# Altium PCB Core.PcbDoc (part 3 of 3) (continued)
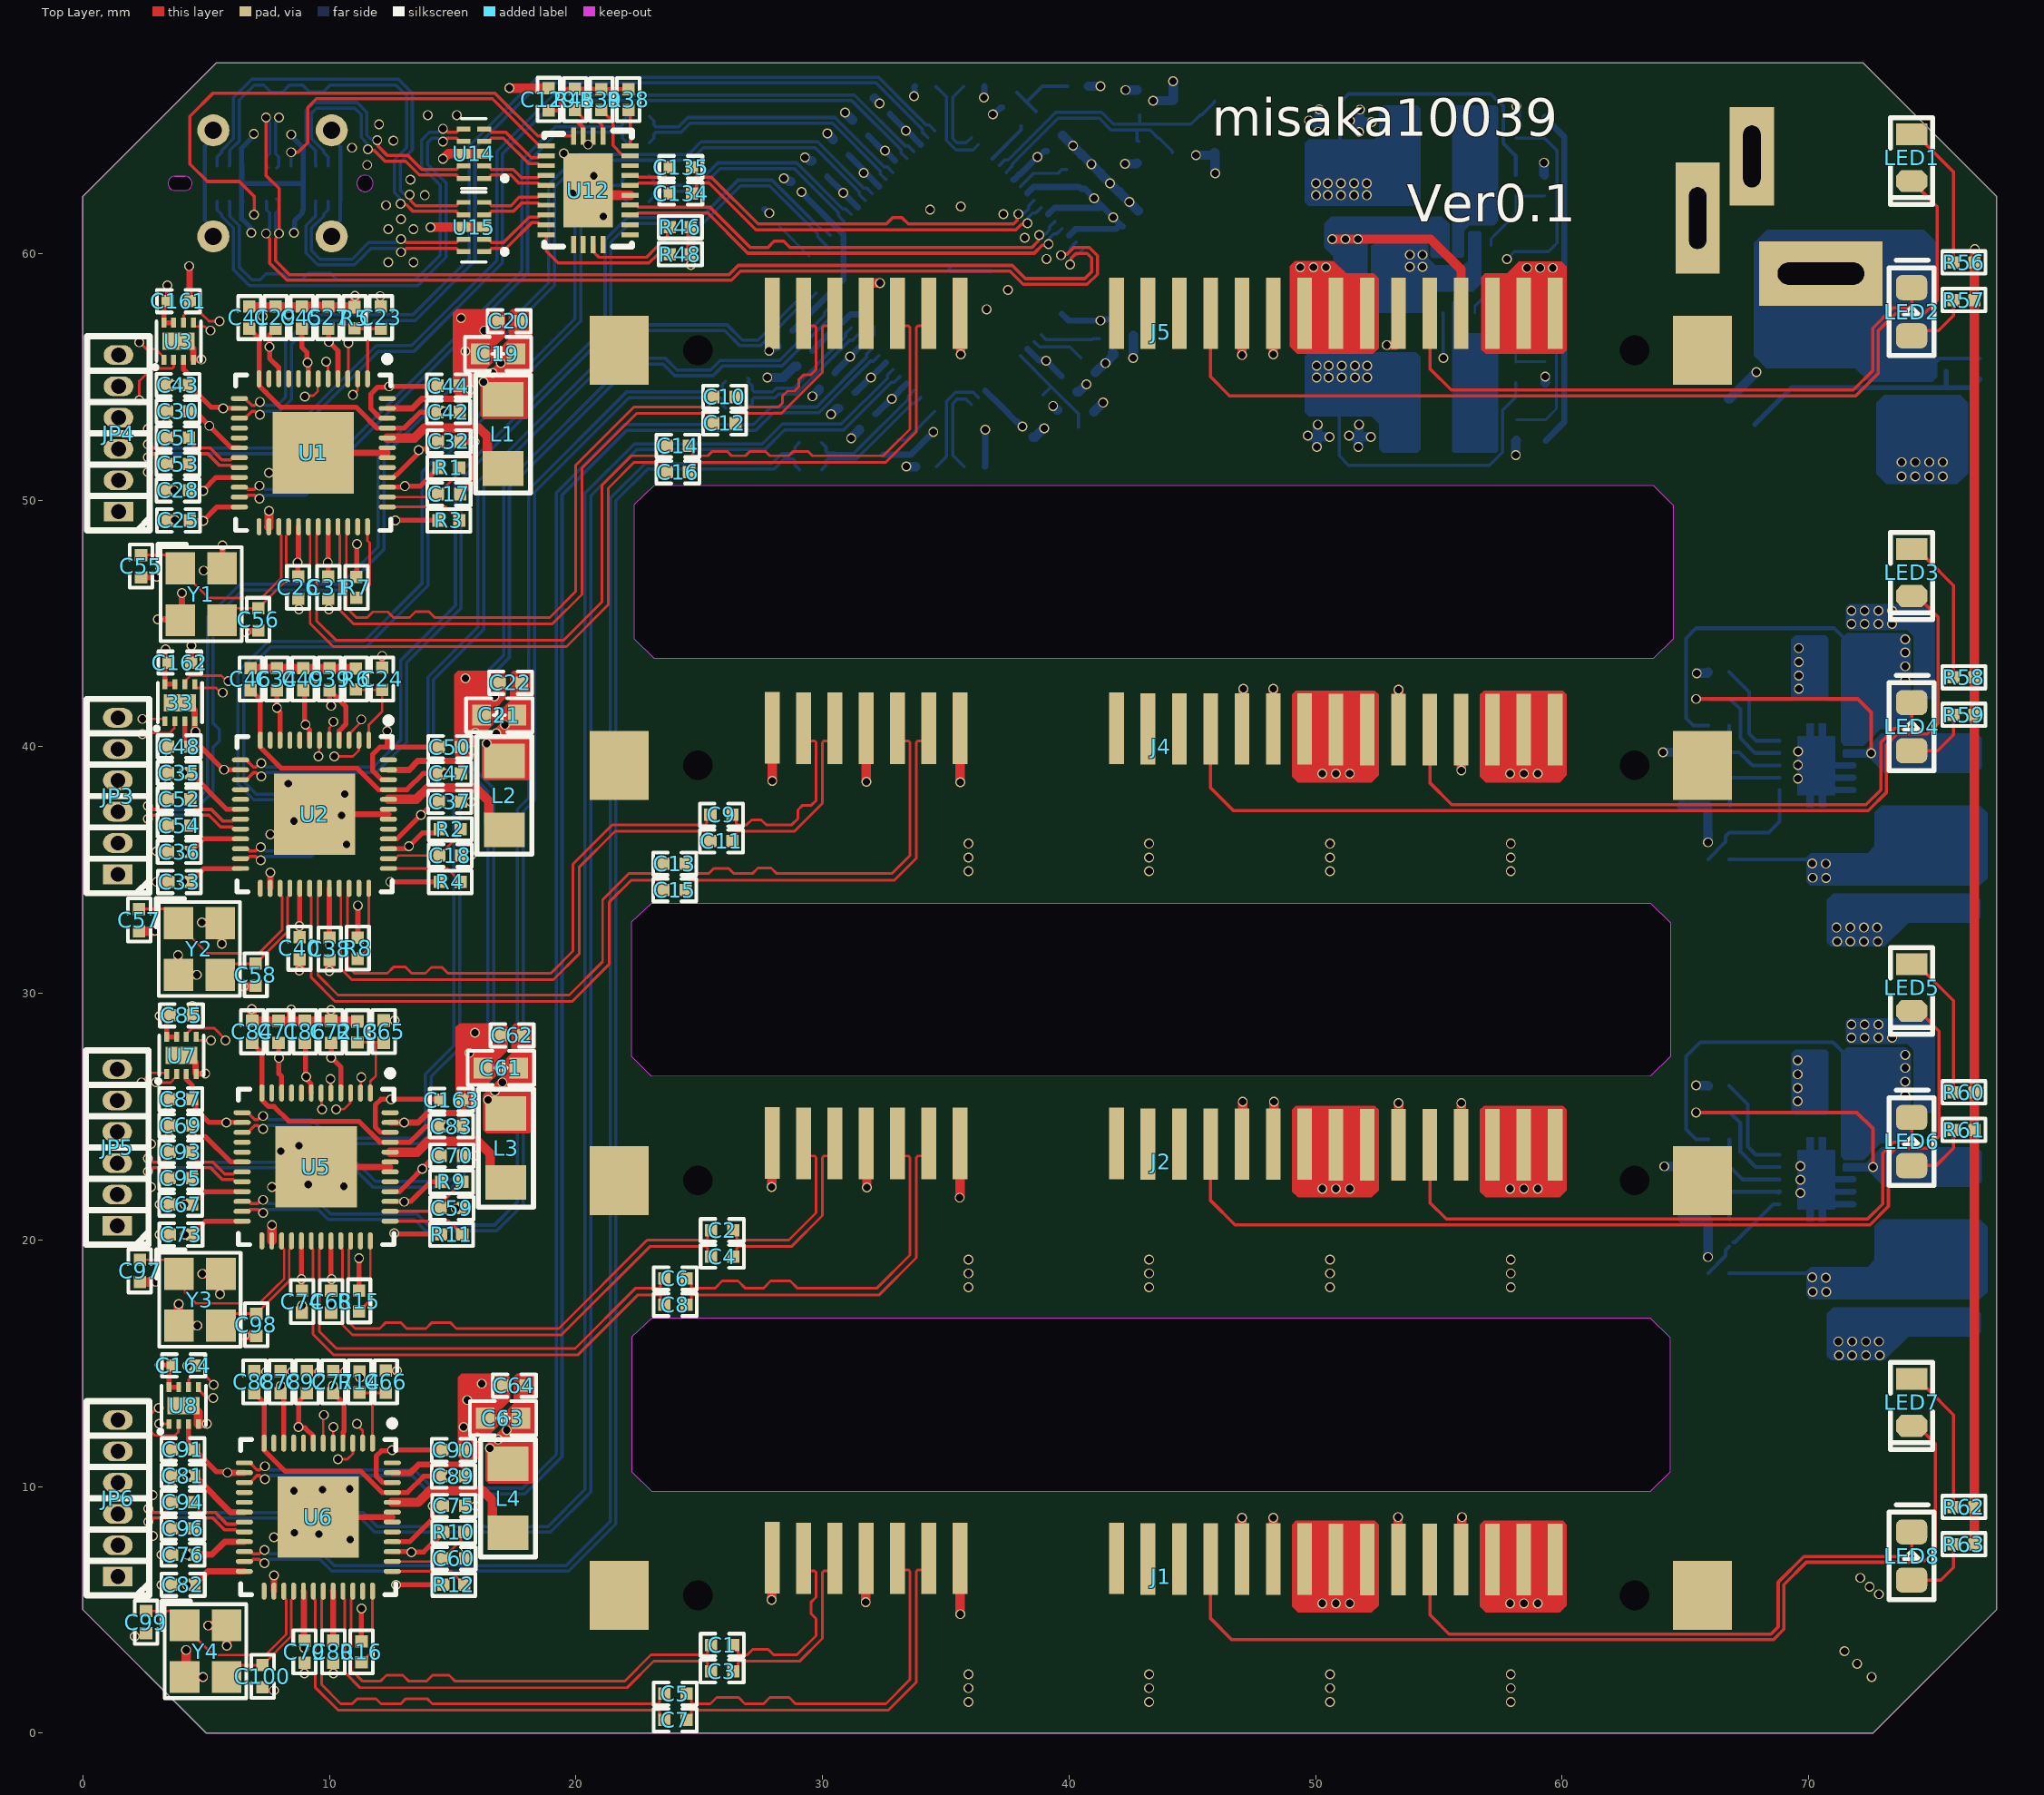
[diagram p0: Top Layer view]
## Nets (pads, with @x,y where several pads share a name; then routed paths per layer and width w, separated by ;. In a path a pad name is that pad's centre, name@x,y a point inside that pad or via, vN(x,y) a via of type N, cw(c..) or ccw(c..) an arc to the next point about the centre after c; other vN are vias at no path point) (continued)
  other v1: 16.51,11.557 16.84,11.913 17.196,12.294
VCC3V3: C127.2 C128.2 C144.2 C145.2 C146.2 C147.2 C148.2 L8.1 R35.1 R40.2 R41.2 R42.2 R43.2 R47.2 R50.2 R52.2 R54.2 R55.2 R56.1 R57.1 R58.1 R59.1 R60.1 R61.1 R62.1 R63.1 U13.17 U13.24 U13.46 U13.62 U13.73 | length 123.1
  Top Layer w0.381: R63.1@76.714,7.661 R62.1@76.714,9.169 R61.1@76.714,24.463 R60.1@76.714,25.984 R59.1@76.714,41.291 R58.1@76.714,42.812 R57.1@76.714,58.111 R56.1@76.714,59.634 76.73,59.65 76.73,60.169 v1(76.733,60.173)
  Layer 1 w0.381: v1(52.095,55.448) 52.095,59.893 53.162,60.96 53.162,64.389 55.321,66.548 72.695,66.548 76.733,62.509 v1(76.733,60.173)
  Bottom Layer w0.127: 50.952,54.068 50.952,52.725 50.955,52.722 50.955,52.399 50.952,52.396 50.952,51.791 51.333,51.41 57.048,51.41 57.391,51.752 57.396,51.752 57.582,51.938 57.582,53.645 58.115,54.178 R35.1@58.115,54.751
  Bottom Layer w0.254: R55.2@27.644,61.79 27.664,61.79 27.819,61.635 v1(27.839,61.635) ; C147.2@28.778,56.871 28.78,56.871 U13.17@30.026,58.116 ; v1(29.152,62.491) C146.2@29.362,62.281 29.362,62.248 U13.24@30.593,61.017 30.85,60.76 30.85,58.939 U13.17@30.028,58.116 ; R47.2@32.465,51.846 33.583,51.846 v1(34.493,52.756) ; v1(33.706,66.37) 33.725,66.39 33.725,66.757 R52.2@33.745,66.777 ; v1(36.551,66.319) 36.56,66.329 36.56,66.767 R54.2@36.569,66.777 ; R43.2@36.588,51.359 36.595,51.366 36.595,52.851 v1(36.601,52.857) ; U13.73@36.603,54.44 37.273,53.77 37.855,53.188 C148.2@37.897,53.188 v1(38.107,52.977) ; v1(36.906,65.634) 36.946,65.634 37.229,65.917 R50.2@37.291,65.917 ; U13.46@37.735,62.996 37.773,62.996 37.985,63.208 38.011,63.208 v1(38.71,63.906) 38.749,63.906 38.99,64.147 C144.2@39.103,64.147 ; U13.62@39.714,57.55 39.987,57.277 41.317,57.277 41.356,57.316 C145.2@41.973,57.316
  Bottom Layer w0.381: v1(39.351,53.816) 39.357,53.816 39.519,53.653 R40.2@39.539,53.653 ; R41.2@41.068,55.173 v1@41.461,55.567 ; v1(41.478,55.55) 41.478,55.555 41.825,55.902 R42.2@41.825,55.939 ; R42.2@41.758,55.939 R42.2@41.758,55.956
  other v1: 50.038,54.966 50.521,54.966 51.054,54.966 51.587,54.966 52.095,54.966 50.038,55.448 50.521,55.448 51.054,55.448 51.587,55.448 41.278,57.277
VCC3V3-A: C23.2 C43.2 C44.2 C45.2 C161.2 JP4.6 R1.1 R3.1 R7.1 U1.7 U1.14 U1.39 U1.46 U3.3 U3.7 U3.8 | length 17.7
  Top Layer w0.203: v1(3.429,58.699) 3.433,58.696 3.433,58.068 C161.2@3.436,58.064 3.286,57.914 U3.8@3.286,57.189 U3.7@3.686,57.189 ; U3.3@4.086,55.689 4.088,55.687 4.088,55.298 4.289,55.097 4.289,54.683 5.213,53.759 5.652,53.759 5.691,53.719 6.346,53.719 U1.14@6.347,53.718 ; C45.2@8.89,56.947 8.89,56.183 9.082,55.991 9.082,55.614 9.146,55.551 9.146,54.919 U1.7@9.147,54.918 ; R7.1@11.1,46.882 11.112,46.894 11.112,48.203 v1(11.125,48.216) ; v1(12.065,58.268) 12.078,58.255 12.078,57.859 C23.2@12.09,57.847 ; U1.39@12.347,50.518 12.349,50.519 12.962,50.519 13.007,50.564 v1(13.06,50.564) ; U1.46@12.347,53.318 12.068,53.318 11.684,53.702 11.684,54.305 11.951,54.572 12.383,54.572 v1(12.421,54.61) v1@12.458,54.572 ; v1@12.597,54.61 14.358,54.61 C44.2@14.384,54.635 ; v1(12.675,49.174) R3.1@14.424,49.174 ; v1@13.056,50.571 13.072,50.555 13.671,50.555 R1.1@14.424,51.308
  other v1: 5.69,53.721 9.12,55.577
VCC3V3-B: 33.3 33.7 33.8 C24.2 C48.2 C49.2 C50.2 C162.2 JP3.6 R2.1 R4.1 R8.1 U2.7 U2.14 U2.39 U2.46 | length 18.6
  Top Layer w0.203: v1(3.353,43.942) 3.337,43.926 33.8@3.337,42.533 33.7@3.737,42.533 ; 33.3@4.137,41.033 4.137,40.23 C48.2@4.362,40.005 ; C48.2@4.384,39.983 4.797,39.983 5.718,39.062 v1@5.729,39.062 ; v1(5.729,39.065) 5.731,39.063 6.396,39.063 U2.14@6.398,39.062 ; C49.2@8.941,42.291 8.995,42.237 8.995,40.937 v1@9.027,40.904 ; v1@9.042,40.919 9.042,40.835 9.196,40.681 9.196,40.263 U2.7@9.198,40.262 ; R8.1@11.151,32.251 11.157,32.258 11.157,33.554 v1(11.163,33.561) ; C24.2@12.141,43.198 v1(12.141,43.68) ; v1(12.344,40.64) 12.344,40.005 12.37,39.98 ; U2.39@12.398,35.862 13.072,35.862 13.173,35.963 v1(13.227,35.963) ; U2.46@12.398,38.662 12.119,38.662 11.76,39.021 11.76,39.692 12.048,39.98 12.37,39.98 ; v1(12.471,34.519) R4.1@14.474,34.519 ; v1@13.215,35.941 13.774,36.5 14.207,36.5 14.211,36.504 14.326,36.504 R2.1@14.474,36.652 ; C50.2@14.434,39.98 12.37,39.98
  other v1: 9.032,40.899
VCC3V3-C: C65.2 C85.2 C86.2 C87.2 C163.2 JP5.6 R9.1 R11.1 R15.1 U5.7 U5.14 U5.39 U5.46 U7.3 U7.7 U7.8 | length 17.5
  Top Layer w0.203: v1(3.124,29.083) 3.137,29.096 3.539,29.096 3.403,28.96 3.403,28.739 3.402,28.738 U7.8@3.402,28.233 U7.7@3.802,28.233 ; U7.3@4.201,26.733 4.201,26.511 4.426,26.286 C87.2@4.426,25.705 4.571,25.56 4.571,25.325 5.131,24.765 v1(5.817,24.765) ; v1@5.817,24.762 U5.14@6.463,24.762 ; C86.2@9.005,27.991 9.031,27.965 9.031,26.646 v1(9.056,26.62) ; v1@9.068,26.619 9.094,26.593 9.094,26.483 9.261,26.316 9.261,25.963 U5.7@9.263,25.962 ; R15.1@11.204,17.951 v1(11.204,19.263) ; U5.39@12.463,21.562 12.464,21.56 13.025,21.56 v1(13.033,21.552) 13.054,21.574 13.319,21.574 14.101,22.356 14.535,22.356 R9.1@14.539,22.352 ; U5.46@12.463,24.362 12.081,24.362 11.862,24.581 11.862,25.398 11.862,25.476 12.09,25.705 14.351,25.705 C163.2@14.499,25.679 ; v1(12.624,20.269) 12.649,20.244 14.514,20.244 R11.1@14.539,20.218
  other v1: 12.497,25.705 12.649,28.905
VCC3V3-D: C66.2 C90.2 C91.2 C92.2 C164.2 JP6.6 R10.1 R12.1 R16.1 U6.7 U6.14 U6.39 U6.46 U8.3 U8.7 U8.8 | length 18.2
  Top Layer w0.203: v1(3.119,14.938) 3.133,14.924 3.625,14.924 C164.2@3.639,14.91 3.491,14.761 3.491,14.541 3.489,14.539 U8.8@3.489,14.034 U8.7@3.89,14.034 ; C91.2@4.289,11.658 U8.3@4.289,12.534 ; C91.2@4.514,11.506 5.416,10.604 5.83,10.604 v1(5.867,10.566) ; v1@8.788,12.381 9.011,12.381 9.35,12.042 U6.7@9.35,11.763 ; v1@8.788,12.395 8.749,12.434 8.749,13.448 C92.2@9.093,13.792 ; R16.1@11.303,3.727 v1(11.303,5.063) ; C66.2@12.294,14.699 12.295,14.698 12.738,14.698 v1(12.739,14.696) ; U6.39@12.55,7.363 12.552,7.361 13.303,7.361 v1(13.323,7.341) ; U6.46@12.55,10.163 12.169,10.163 11.901,10.431 11.901,11.235 12.109,11.443 12.51,11.443 v1(12.548,11.481) C90.2@14.587,11.481 ; v1(12.7,6.02) R12.1@14.627,6.02 ; v1@13.296,7.404 13.345,7.355 13.828,7.355 R10.1@14.627,8.153
  Top Layer w0.254: v1(5.867,10.566) 5.869,10.565 6.549,10.565 U6.14@6.55,10.563
  other v1: 8.75,12.419
VCC5V-A: C106.2 C107.2 C108.2 C109.2 E5.1 E6.1 E9.1 E10.1 J1.P7 J1.P8 J1.P9 J2.P7 J2.P8 J2.P9 L5.2 R20.1 | length 60.6
  Layer 2 w0.889: v1@50.267,5.258 50.825,5.258 51.384,5.258 55.372,5.258 56.667,3.962 67.412,3.962 70.409,6.96 70.409,17.649 ; v1(50.267,22.081) v1(50.825,22.081) v1(51.384,22.081) 53.967,22.081 55.448,20.599 69.317,20.599 70.409,19.507 70.409,18.746 v1(70.143,18.481) ; v1@70.143,17.915 v1(70.143,18.481) ; v1(70.156,17.903) v1@70.696,17.903 ; v1(70.702,17.897) v1@70.696,17.903 ; v1(70.143,18.481) 70.149,18.475 v1(70.69,18.475) 70.69,17.909 v1@70.696,17.903
  Bottom Layer w0.152: R20.1@66.771,18.653 69.904,18.653 70.076,18.481 v1(70.143,18.481)
  other v1: 50.267,5.266 50.825,5.266 51.384,5.266
VCC5V-B: C117.2 C118.2 C119.2 C120.2 E1.1 E2.1 J4.P7 J4.P8 J4.P9 J5.P7 J5.P8 J5.P9 L6.2 R26.1 | length 68.2
  Layer 2 w0.889: v1(49.378,59.436) v1(49.911,59.436) 51.791,59.436 53.772,57.455 53.772,54.178 55.321,52.629 68.021,52.629 70.418,50.232 70.418,37.643 ; v1(50.267,38.911) v1(50.825,38.911) v1(51.384,38.911) 53.012,38.911 54.28,37.643 70.418,37.643 ; v1@70.701,35.258 v1(70.701,34.677) 70.694,34.683 v1(70.154,34.683) 70.148,34.689 70.142,34.695 v1(70.142,35.261) 70.145,35.258 70.148,35.255 v1(70.688,35.255) 70.418,35.525 70.418,37.643
  Bottom Layer w0.152: R26.1@66.77,35.433 69.903,35.433 70.075,35.261 v1(70.142,35.261)
  other v1: 50.419,59.436
VCC12V: C102.2 C103.2 C104.2 C105.2 C113.2 C114.2 C115.2 C116.2 E3.1 E4.1 E7.1 E8.1 E11.1 E12.1 J1.P13 J1.P14 J1.P15 J2.P13 J2.P14 J2.P15 J4.P13 J4.P14 J4.P15 J5.P13 J5.P14 J5.P15 JP2.1 Q1.3 R17.1 R24.1 U9.1 U10.1 | length 92.5
  Layer 1 w0.889: v1@57.887,5.258 60.02,5.258 62.382,2.896 71.298,2.896 ; v1(57.887,22.081) v1(58.445,22.081) v1(59.004,22.081) 60.926,22.081 62.23,20.777 74.193,20.777 ; v1(57.887,38.911) v1(58.445,38.911) v1(59.004,38.911) 60.708,38.911 62.433,37.186 73.863,37.186 ; v1(58.572,59.411) v1(59.106,59.411) v1(59.614,59.411) 62.509,59.411 64.973,56.947 64.973,54.254 67.691,51.537 v1(73.762,51.537) v1(74.32,51.537) v1(74.879,51.537) v1(75.438,51.537)
  Bottom Layer w0.152: R24.1@65.926,40.858 65.314,40.858 65.024,41.148 65.024,44.395 65.435,44.806 71.018,44.806 C114.2@71.806,44.017 ; R17.1@65.928,24.077 65.432,24.077 65.027,24.482 65.027,27.448 65.596,28.016 70.978,28.016 71.459,27.536 71.509,27.536 71.758,27.286 C103.2@71.758,27.236
  other v1: 72.542,2.286 71.958,2.819 71.45,3.327 57.887,5.266 58.445,5.266 59.004,5.266 73.914,25.857 73.914,26.416 73.914,26.975 73.914,27.508 73.914,42.697 73.914,43.256 73.914,43.815 73.914,44.348 73.762,50.952 74.32,50.952 74.879,50.952 75.438,50.952
VIN: CON1.1 Q1.2 R18.1 | length 2.3
  Bottom Layer w0.152: Q1.2@74.925,55.216 75.059,55.35 75.059,55.492 75.313,55.746 R18.1@76.937,55.746
VSENSE-A: R20.2 R23.1 U9.6 | length 3.9
  Bottom Layer w0.152: R20.2@65.921,18.653 66.63,19.361 66.63,19.596 R23.1@66.771,19.738 ; R23.1@66.945,19.911 67.015,19.911 68.557,21.453 U9.6@68.807,21.453
VSENSE-B: R26.2 R29.1 U10.6 | length 4.9
  Bottom Layer w0.152: R26.2@65.92,35.433 66.628,36.141 66.628,36.376 R29.1@66.77,36.518 68.37,36.518 68.807,36.956 U10.6@68.807,38.243
XIN: C143.1 U13.45 Y5.3 | length 8.8
  Bottom Layer w0.131: U13.45@37.453,63.278 37.453,63.297 37.699,63.543 37.699,63.627 39.557,65.485 41.222,65.485 41.698,65.009 42.027,65.009 42.037,64.998 42.748,64.998 43.284,64.998 43.61,64.672 43.66,64.672 44.195,64.138 Y5.3@44.195,64.088 ; 42.748,64.934 C143.1@42.748,64.56 42.802,64.56 C143.1@42.822,64.54
XIN-A: C56.1 U1.28 Y1.3 | length 5.5
  Top Layer w0.102: Y1.3@5.651,45.127 6.135,45.611 C56.1@7.112,45.611 8.248,46.747 8.248,48.542 8.347,48.641 U1.28@8.347,48.918
XIN-B: C58.1 U2.28 Y2.3 | length 5.3
  Top Layer w0.109: Y2.3@5.574,30.751 6.026,31.202 C58.1@7.01,31.202 8.303,32.494 8.303,33.902 8.398,33.998 U2.28@8.398,34.262
XIN-C: C98.1 U5.28 Y3.3 | length 5.2
  Top Layer w0.102: Y3.3@5.6,16.527 6.084,17.011 C98.1@7.036,17.011 7.965,17.94 8.374,18.349 8.374,19.603 8.463,19.692 U5.28@8.463,19.962
XIN-D: C100.1 U6.28 Y4.3 | length 5.2
  Top Layer w0.102: Y4.3@5.828,2.277 6.312,2.761 C100.1@7.29,2.761 8.457,3.928 8.457,5.404 8.55,5.498 U6.28@8.55,5.763
XOUT: C142.1 U13.44 Y5.1 | length 10.6
  Bottom Layer w0.131: U13.44@37.169,63.562 37.391,63.784 37.528,63.784 39.461,65.717 41.319,65.717 41.795,65.241 42.863,65.241 ; C142.1@42.863,65.602 42.863,65.241 ; Y5.1@45.895,66.188 45.895,66.138 45.36,65.603 45.31,65.603 44.948,65.241 42.863,65.241
XOUT-A: C55.1 U1.27 Y1.1 | length 8.9
  Top Layer w0.102: C55.1@2.362,47.77 3.408,47.77 Y1.1@3.951,47.227 3.951,47.177 5.103,46.025 7.238,46.025 8.045,46.831 8.045,48.559 7.947,48.656 U1.27@7.947,48.918
XOUT-B: C57.1 U2.27 Y2.1 | length 8.7
  Top Layer w0.109: C57.1@2.286,33.419 3.329,33.419 3.874,32.874 3.874,32.801 5.052,31.623 7.133,31.623 8.092,32.582 8.092,33.902 7.998,33.996 U2.27@7.998,34.262
XOUT-C: C97.1 U5.27 Y3.1 | length 8.9
  Top Layer w0.102: C97.1@2.311,19.195 3.351,19.195 3.9,18.646 Y3.1@3.9,18.627 4.141,18.386 4.141,17.884 4.591,17.433 7.171,17.433 7.762,18.024 8.17,18.433 8.17,19.603 8.063,19.711 U5.27@8.063,19.962
XOUT-D: C99.1 U6.27 Y4.1 | length 8.6
  Top Layer w0.102: C99.1@2.565,4.953 3.579,4.953 4.128,4.404 4.128,4.327 5.281,3.175 7.416,3.175 8.254,4.013 8.254,5.404 8.15,5.507 U6.27@8.15,5.763
pads on no net: J1. J1.P1 J1.P2 J1.P3 J1.SH1 J1.SH2 J2. J2.P1 J2.P2 J2.P3 J2.SH1 J2.SH2 J3.A8 J3.B8 J4. J4.P1 J4.P2 J4.P3 J4.SH1 J4.SH2 J5. J5.P1 J5.P2 J5.P3 J5.SH1 J5.SH2 JP1.0 JP2.0 U1.16 U1.17 U1.25 U1.35 U1.41 U1.48 U2.16 U2.17 U2.25 U2.35 U2.41 U2.48 U5.16 U5.17 U5.25 U5.35 U5.41 U5.48 U6.16 U6.17 U6.25 U6.35 U6.41 U6.48 U12.11 U12.12 U12.14 U12.15 U12.16 U12.22 U13.2 U13.21 U13.39 U13.42 U13.57 U13.58 U13.59 U13.60 U13.61 U13.63 U13.64 U13.76

## Polygon pours and split planes (outlines as drawn)
VCC3V3 on Layer 1 "VCC3V3_L02_P012" (solid, pour order 12): 51.968,57.785 40.869,57.785 39.929,56.845 39.929,55.855 37.998,53.924 32.131,53.924 29.591,56.464 29.591,62.662 32.131,65.202 36.22,65.202 38.075,63.348 39.446,63.348 39.853,63.754 39.853,64.389 37.033,67.208 29.159,67.208 26.543,64.592 26.543,55.677 29.718,52.502 40.564,52.502 42.647,54.585 47.904,54.585 52.019,54.585 52.299,54.864 52.299,57.455
VCC1V2-A on Layer 1 "VCC1V2-A_L02_P006" (solid, pour order 6): 17.043,55.728 17.17,55.601 17.17,54.178 16.996,54.004 14.452,54.004 14.275,53.826 14.275,52.781 14.884,52.172 14.884,48.006 13.513,46.634 4.42,46.634 3.708,47.346 3.708,56.464 4.14,56.896 10.033,56.896 10.185,56.744 10.185,56.138 10.185,56.007 10.084,55.905 5.817,55.905 5.258,55.347 5.258,48.489 5.867,47.879 12.573,47.879 13.411,48.717 13.411,55.245 13.894,55.728
VCC12V on Layer 1 "VCC12V_L02_P000" (solid, pour order 0): 71.044,4.064 70.536,3.556 70.536,0.432 70.968,0 72.542,0 77.699,5.156 77.699,52.07 77.292,52.476 73.685,52.476 73.177,51.968 73.177,45.923 73.177,40.157 73.177,23.876 73.177,4.699 72.542,4.064
VBUS on Layer 1 "VBUS_L02_P013" (solid, pour order 13): 53.035,60.071 52.527,59.563 52.527,54.889 50.14,52.502 29.718,52.502 26.568,55.651 26.568,64.414 23.664,67.319 7.299,67.319 6.502,66.523 6.502,60.554 6.731,60.325 8.814,60.325 9.22,60.731 9.22,63.805 9.22,65.38 9.601,65.761 15.672,65.761 17.145,64.287 17.145,54.153 16.996,54.004 14.452,54.004 14.275,53.826 14.275,52.781 14.91,52.146 14.91,41.402 15.265,41.046 17.221,41.046 17.374,40.894 17.374,39.751 17.12,39.497 14.58,39.497 14.3,39.218 14.3,38.252 14.91,37.643 14.91,27.305 15.621,26.594 17.094,26.594 17.247,26.441 17.247,25.324 17.018,25.095 14.58,25.095 14.376,24.892 14.376,23.825 15.342,22.86 15.342,13.208 15.697,12.852 17.145,12.852 17.399,12.598 17.399,11.125 17.145,10.871 14.732,10.871 14.554,10.693 14.554,9.906 14.834,9.627 20.93,9.627 21.59,10.287 21.59,49.708 22.53,50.648 54.915,50.648 56.083,51.816 56.083,59.614 55.626,60.071
VCC3V3-D on Layer 1 "VCC3V3-D_L02_P003" (solid, pour order 3): 2.032,12.395 1.854,12.217 0.356,12.217 0.203,12.37 0.203,16.205 0.686,16.688 14.249,16.688 14.91,16.027 14.91,12.979 13.589,11.659 13.589,5.918 12.548,4.877 5.867,4.877 4.939,5.805 4.939,10.248 6.071,11.379 7.944,11.379 8.15,11.585 8.15,12.443 8.331,12.624 9.652,12.624 9.855,12.421 9.855,10.973 10.084,10.744 10.998,10.744 12.548,12.294 12.548,14.91 11.608,15.85 5.766,15.85 5.283,15.367 5.283,14.884 5.05,14.651 3.424,14.651 2.032,13.259
VCC1V2-B on Layer 1 "VCC1V2-B_L02_P008" (solid, pour order 8): 17.221,41.046 17.374,40.894 17.374,39.751 17.12,39.497 14.58,39.497 14.3,39.218 14.3,38.252 14.91,37.643 14.91,33.249 13.31,31.648 4.293,31.648 3.454,32.487 3.454,41.453 4.191,42.189 10.135,42.189 10.287,42.037 10.287,41.453 10.058,41.224 5.563,41.224 5.207,40.869 5.207,33.757 5.766,33.198 12.471,33.198 13.462,34.188 13.462,40.132 14.34,41.046
VCC1V0 on Layer 1 "VCC1V0_L02_P011" (solid, remove dead copper, pour order 11): 52.324,63.017 52.324,60.833 51.867,60.376 42.52,60.376 41.783,59.639 41.783,58.699 40.335,57.252 39.929,56.845 39.929,55.855 37.998,53.924 32.131,53.924 29.591,56.464 29.591,62.662 32.131,65.202 36.22,65.202 38.075,63.348 51.994,63.348
VCC3V3-A on Layer 1 "VCC3V3-A_L02_P005" (solid, pour order 5): 9.322,55.855 9.5,55.677 9.5,54.737 9.271,54.508 9.271,53.849 11.609,53.849 12.065,54.305 12.065,57.125 10.846,58.344 3.048,58.344 2.007,57.302 2.007,55.601 1.829,55.423 0.686,55.423 0.533,55.575 0.533,58.598 1.143,59.207 12.522,59.207 13.284,58.445 13.284,48.819 12.497,48.031 5.867,48.031 5.41,48.489 5.41,55.347 5.918,55.855
VCC1V2-C on Layer 1 "VCC1V2-C_L02_P010" (solid, pour order 10): 17.094,26.594 17.247,26.441 17.247,25.324 17.018,25.095 14.58,25.095 14.376,24.892 14.376,23.825 15.342,22.86 15.342,18.745 13.894,17.297 5.055,17.297 3.785,18.567 3.785,26.822 4.445,27.483 4.47,27.457 7.036,27.457 7.188,27.61 10.109,27.61 10.236,27.483 10.236,27.102 10.008,26.873 5.791,26.873 4.877,25.959 4.877,20.041 5.994,18.923 12.675,18.923 13.462,19.71 13.462,25.959 14.097,26.594
VCC3V3-C on Layer 1 "VCC3V3-C_L02_P009" (solid, pour order 9): 9.322,26.873 9.449,26.746 9.449,25.679 9.347,25.578 9.347,24.968 9.601,24.714 11.633,24.714 12.014,25.095 12.014,27.838 10.744,29.108 7.722,29.108 3.302,29.108 2.083,27.889 2.083,26.67 1.93,26.518 0.889,26.518 0.762,26.645 0.762,28.931 1.829,29.997 12.471,29.997 13.284,29.185 13.284,19.736 12.598,19.05 6.045,19.05 5.006,20.089 5.006,25.936 5.944,26.873
VBUS on Layer 1 "VBUS_L02_P014" (solid, pour order 14): 52.165,54.522 42.711,54.522 40.581,52.392 50.563,52.392 52.4,54.229
VCC3V3-B on Layer 1 "VCC3V3-B_L02_P007" (solid, pour order 7): 9.525,41.148 9.754,40.919 9.754,39.345 10.109,38.989 11.684,38.989 12.09,39.395 12.09,43.002 11.252,43.84 3.429,43.84 2.032,42.443 2.032,40.945 1.854,40.767 0.889,40.767 0.711,40.945 0.711,44.044 1.6,44.933 12.573,44.933 13.31,44.196 13.31,34.29 12.344,33.325 5.918,33.325 5.334,33.909 5.334,40.792 5.69,41.148
VCC1V2-D on Layer 1 "VCC1V2-D_L02_P004" (solid, pour order 4): 10.49,14.326 10.617,14.199 10.617,13.259 10.541,13.183 9.576,13.183 9.474,13.081 9.474,12.802 9.347,12.675 8.306,12.675 8.103,12.471 8.103,11.608 7.925,11.43 5.994,11.43 4.851,10.287 4.851,5.791 5.867,4.775 12.725,4.775 13.691,5.74 13.691,11.582 14.961,12.852 17.145,12.852 17.399,12.598 17.399,11.125 17.145,10.871 14.732,10.871 14.554,10.693 14.554,9.906 15.265,9.195 15.265,4.572 13.919,3.226 4.953,3.226 3.835,4.343 3.835,11.227 4.496,11.887 4.496,12.497 4.826,12.827 5.817,12.827 7.315,14.326
GND on Layer 2 "NONET_L03_P002" (solid, shelved, pour order 2): 5.006,0.006 0.006,5.006 0.008,62.319 5.008,67.319 72.609,67.319 77.609,62.319 77.607,5.006 72.607,0.006
VCC5V-A on Bottom Layer "VCC5V-A_L04_P020" (solid, pour order 20): 49.479,9.601 49.835,9.246 49.835,6.706 50.343,6.198 51.892,6.198 53.391,4.699 36.5,4.699 35.382,5.817 35.382,9.042 35.941,9.601
VCC12V on Bottom Layer "VCC12V_L04_P019" (solid, pour order 19): 58.953,9.576 59.588,8.941 59.588,5.207 59.08,4.699 53.67,4.699 52.019,6.35 50.317,6.35 50.063,6.604 50.063,9.296 50.343,9.576
VCC5V-A on Bottom Layer "VCC5V-A_L04_P018" (solid, pour order 18): 49.479,26.416 49.835,26.06 49.835,23.52 50.343,23.012 51.892,23.012 53.391,21.514 36.5,21.514 35.382,22.631 35.382,25.857 35.941,26.416
VCC12V on Bottom Layer "VCC12V_L04_P017" (solid, pour order 17): 58.953,26.391 59.588,25.756 59.588,22.022 59.08,21.514 53.67,21.514 52.019,23.165 50.317,23.165 50.063,23.419 50.063,26.111 50.343,26.391
VCC5V-B on Bottom Layer "VCC5V-B_L04_P016" (solid, pour order 16): 49.479,43.282 49.835,42.926 49.835,40.386 50.343,39.878 51.892,39.878 53.391,38.379 36.5,38.379 35.382,39.497 35.382,42.723 35.941,43.282
VCC12V on Bottom Layer "VCC12V_L04_P015" (solid, pour order 15): 58.953,43.256 59.588,42.621 59.588,38.887 59.08,38.379 53.67,38.379 52.019,40.03 50.317,40.03 50.063,40.284 50.063,42.977 50.343,43.256

## Keep-outs
Keep-Out Layer:
  lines w0.013: 5.417,67.719 21.908,67.719 55.709,67.719 72.209,67.719 77.609,62.319 77.607,5.006 72.607,0.006 5.006,0.006 0.006,5.006 0.008,62.314 5.413,67.719 5.42,67.719

## Other copper
Top Layer:
  region net VCC5V-A: 52.4,8.611 52.553,8.458 52.553,5.182 52.273,4.902 49.276,4.902 49.047,5.131 49.047,8.458 49.2,8.611
  region net GND: 16.967,57.734 17.12,57.582 17.12,56.642 16.662,56.185 16.662,55.626 16.408,55.372 15.951,54.915 15.951,54.381 15.85,54.28 15.113,54.28 15.011,54.381 15.011,57.582 15.164,57.734
  region net GND: 17.018,43.078 17.17,42.926 17.17,41.986 16.713,41.529 16.713,40.97 16.459,40.716 16.002,40.259 16.002,39.726 15.9,39.624 15.164,39.624 15.062,39.726 15.062,42.926 15.215,43.078
  region net GND: 17.083,28.778 17.235,28.626 17.235,27.686 16.778,27.229 16.778,26.67 16.524,26.416 16.067,25.959 16.067,25.425 15.965,25.324 15.228,25.324 15.127,25.425 15.127,28.626 15.279,28.778
  region net VCC1V2-A: 18.11,57.734 18.237,57.607 18.237,53.518 18.009,53.289 16.256,53.289 16.129,53.416 16.129,54.839 16.866,55.575 16.866,56.109 17.272,56.515 17.272,57.607 17.399,57.734
  region net VCC1V2-B: 18.161,43.078 18.288,42.951 18.288,38.862 18.059,38.633 16.307,38.633 16.18,38.76 16.18,40.183 16.916,40.919 16.916,41.453 17.323,41.859 17.323,42.951 17.45,43.078
  region net VCC1V2-C: 18.226,28.778 18.353,28.651 18.353,24.562 18.124,24.333 16.371,24.333 16.244,24.46 16.244,25.883 16.981,26.619 16.981,27.153 17.387,27.559 17.387,28.651 17.514,28.778
  region net GND: 17.17,14.58 17.323,14.427 17.323,13.487 16.866,13.03 16.866,12.471 16.612,12.217 16.154,11.76 16.154,11.227 16.053,11.125 15.316,11.125 15.215,11.227 15.215,14.427 15.367,14.58
  region net VCC1V2-D: 18.313,14.58 18.44,14.453 18.44,10.363 18.212,10.135 16.459,10.135 16.332,10.262 16.332,11.684 17.069,12.421 17.069,12.954 17.475,13.36 17.475,14.453 17.602,14.58
  region net VCC5V-B: 50.724,59.69 51.232,59.182 52.349,59.182 52.553,58.979 52.553,56.159 52.324,55.931 49.251,55.931 48.946,56.236 48.946,59.487 49.149,59.69
  region net VCC12V: 59.969,59.665 60.173,59.461 60.173,56.083 60.02,55.931 56.896,55.931 56.718,56.109 56.718,59.03 56.871,59.182 57.76,59.182 58.141,59.563 58.242,59.665
  region net VCC12V: 60.02,8.611 60.173,8.458 60.173,5.182 59.893,4.902 56.896,4.902 56.667,5.131 56.667,8.458 56.82,8.611
  region net VCC12V: 60.02,25.434 60.173,25.281 60.173,22.005 59.893,21.725 56.896,21.725 56.667,21.954 56.667,25.281 56.82,25.434
  region net VCC12V: 60.02,42.264 60.173,42.111 60.173,38.835 59.893,38.555 56.896,38.555 56.667,38.784 56.667,42.111 56.82,42.264
  region net VCC5V-B: 52.4,42.264 52.553,42.111 52.553,38.835 52.273,38.555 49.276,38.555 49.047,38.784 49.047,42.111 49.2,42.264
  region net VCC5V-A: 52.4,25.434 52.553,25.281 52.553,22.005 52.273,21.725 49.276,21.725 49.047,21.954 49.047,25.281 49.2,25.434
Bottom Layer:
  region net GND: 76.735,17.256 76.964,17.027 76.964,16.265 76.786,16.087 74.043,16.087 73.077,15.122 70.893,15.122 70.741,15.274 70.741,17.002 70.995,17.256
  region net GND: 55.423,59.911 55.329,59.817 54.737,59.817 54.661,59.893 54.661,60.427 54.432,60.655 52.4,60.655 52.095,60.35 52.095,57.734 51.943,57.582 50.902,57.582 50.724,57.76 50.724,59.868 50.47,60.122 50.343,60.249 50.343,61.214 50.622,61.493 55.118,61.493 55.423,61.189
  region net GND: 70.69,27.72 70.791,27.619 70.791,25.18 70.69,25.079 69.42,25.079 69.293,25.206 69.293,27.568 69.445,27.72
  region net GND: 74.246,25.231 74.322,25.155 75.033,25.155 75.109,25.231 75.109,28.686 74.805,28.99 71.63,28.99 71.503,28.863 71.503,28.076 71.63,27.949 73.992,27.949 74.246,27.695
  region net GND: 76.733,34.036 76.962,33.807 76.962,33.045 76.784,32.868 74.041,32.868 73.076,31.902 70.891,31.902 70.739,32.055 70.739,33.782 70.993,34.036
  region net GND: 70.688,44.501 70.79,44.399 70.79,41.961 70.688,41.859 69.418,41.859 69.291,41.986 69.291,44.348 69.444,44.501
  region net GND: 74.244,42.012 74.32,41.935 75.032,41.935 75.108,42.012 75.108,45.466 74.803,45.771 71.628,45.771 71.501,45.644 71.501,44.856 71.628,44.729 73.99,44.729 74.244,44.475
  region net VCC12V: 73.914,44.602 74.143,44.374 74.143,40.97 73.889,40.716 72.899,40.716 72.221,40.038 71.442,40.038 71.298,40.183 71.298,40.589 71.298,44.348 71.552,44.602
  region net VCC12V: 73.914,27.813 74.143,27.584 74.143,24.181 73.889,23.927 72.899,23.927 72.221,23.249 71.442,23.249 71.298,23.393 71.298,23.8 71.298,27.559 71.552,27.813
  region net VCC5V-A: 76.938,20.837 77.243,20.532 77.243,17.891 76.938,17.586 70.055,17.586 69.902,17.738 69.902,18.729 70.08,18.907 72.392,18.907 72.671,19.186 72.671,20.558 72.95,20.837
  region net VCC5V-B: 76.937,37.617 77.241,37.313 77.241,34.671 76.937,34.366 70.053,34.366 69.901,34.519 69.901,35.509 70.079,35.687 72.39,35.687 72.669,35.966 72.669,37.338 72.949,37.617
  region net NetC101_1: 76.835,23.749 77.013,23.571 77.013,22.352 76.81,22.149 73.05,22.149 72.42,22.779 71.415,22.779 71.374,22.82 71.374,23.075 71.409,23.111 72.311,23.111 72.949,23.749
  region net NetC112_1: 76.835,40.538 77.013,40.361 77.013,39.141 76.81,38.938 73.05,38.938 72.42,39.568 71.415,39.568 71.374,39.609 71.374,39.865 71.409,39.9 72.311,39.9 72.949,40.538
  region net VCC12V: 76.149,54.254 76.454,53.95 76.454,53.315 76.454,51.079 76.022,50.648 73.152,50.648 72.746,51.054 72.746,53.942 73.058,54.254
  region net VIN: 74.676,60.96 75.209,60.427 75.209,54.991 75.006,54.788 72.441,54.788 71.882,55.347 68.275,55.347 67.767,55.855 67.767,60.427 68.301,60.96
  region net VCC1V0: 54.077,61.925 54.254,62.103 54.254,65.862 54.127,65.989 52.73,65.989 52.578,65.837 52.578,64.821 52.375,64.618 49.708,64.618 49.555,64.465 49.555,62.078 49.708,61.925
  region net NetL8_2: 56.025,58.021 55.964,58.082 55.603,58.082 55.532,58.011 55.532,51.986 55.601,51.918 57.328,51.918 57.404,51.994 57.404,56.591 57.226,56.769 56.24,56.769 56.025,56.984
  region net NetL7_2: 56.025,59.886 55.964,59.825 55.603,59.825 55.532,59.896 55.532,65.921 55.601,65.989 57.328,65.989 57.404,65.913 57.404,61.316 57.226,61.138 56.24,61.138 56.025,60.923
  region net VBUS: 56.667,60.909 56.724,60.853 56.724,58.781 56.388,58.445 54.94,58.445 54.635,58.141 54.635,57.76 54.458,57.582 52.4,57.582 52.248,57.734 52.248,60.289 52.513,60.554 54.356,60.554 54.559,60.35 54.559,59.817 54.864,59.512 55.982,59.512 56.18,59.71 56.18,60.85 56.239,60.909
  region net VCC3V3: 54.077,55.982 54.254,55.804 54.254,52.045 54.127,51.918 52.73,51.918 52.578,52.07 52.578,53.086 52.267,53.397 49.727,53.397 49.555,53.569 49.555,55.829 49.708,55.982

## Silkscreen, mask and mechanical layers (free items; w line width, h text height)
Top Overlay:
  text "misaka10039" at 45.796,64.77 h1.52
  text "Ver0.1" at 53.696,61.29 h1.52
Bottom Overlay:
  drawing of 25 lines, arcs and shapes, not listed
  text "USB3.0 Gen2/10Gpbs" at 31.242,6.553 h1.52
  text "Changeo Tec" at 31.674,1.939 h2.54
Mechanical 1:
  drawing of 8244 lines, arcs and shapes, not listed